# KiCad board Marble.kicad_pcb (continued)
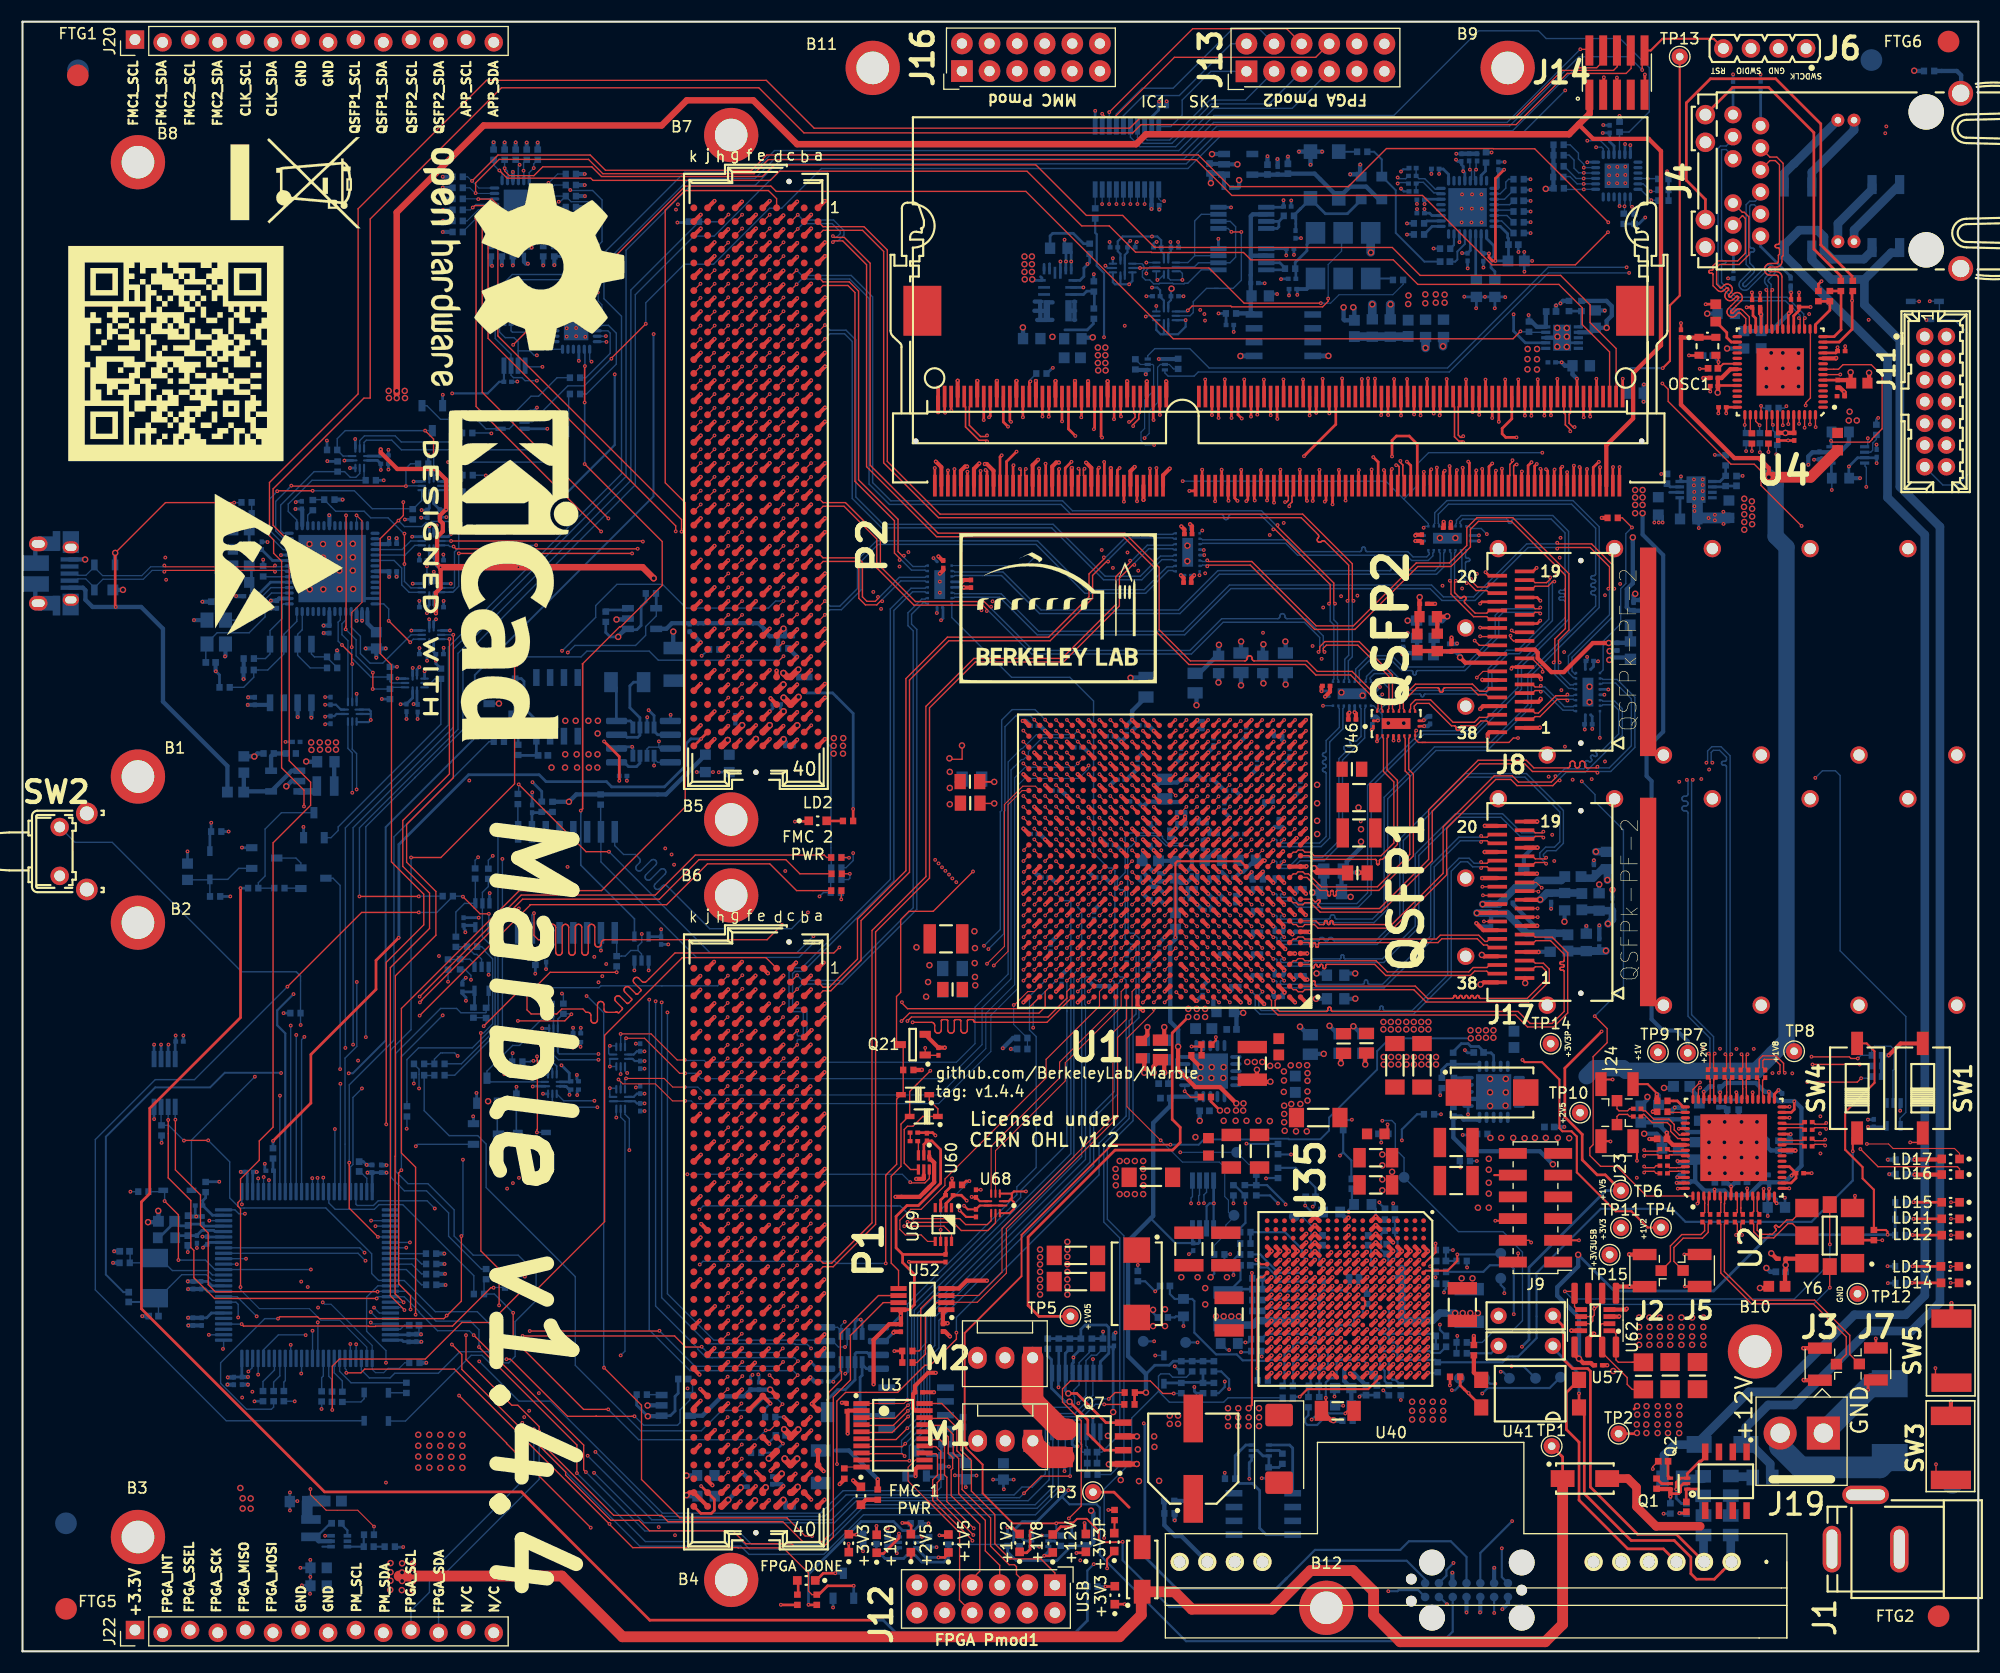
[diagram p0: board, top side]
## Routing (per net, layer and track width the routed paths; a pad name or vN(x,y) marks a point on that pad's centre or on a via; arc(x,y) is an arc through that point) (continued)
/FPGA/DDR3_DQ62: length 57.3
  Top w0.254: U1.U6 v1(113.12,76.73) ; SK1.192 143.67,113.61 v1(143.68,113.59)
  In4.Cu w0.135: v1(143.68,113.59) 143.68,111.64 143.68,111.61 143.67,111.58 143.66,111.55 143.64,111.53 143.61,111.52 143.58,111.51 143.52,111.5 143.5,111.49 143.47,111.48 143.45,111.45 143.43,111.43 143.42,111.4 143.42,111.37 143.42,111.34 143.42,111.31 143.43,111.28 143.45,111.25 143.47,111.23 143.5,111.22 143.52,111.21 143.58,111.2 143.61,111.19 143.64,111.18 143.66,111.15 143.67,111.13 143.68,111.1 143.68,111.07 143.68,109.03 143.65,108.99 143.65,108.78 142.62,107.75 142.62,105.83 138.6,101.82 138.6,99.56 135.1,96.05 135.1,93.03 130.65,88.59 130.65,85.92 123.26,78.53 122.29,78.53 121.61,77.84 120.49,77.84 119.75,77.09 113.48,77.09 v1(113.12,76.73)
/FPGA/DDR3_DQ63: length 62.4
  Top w0.254: U1.U5 v1(114.12,76.73) ; SK1.194 144.27,113.67 v1(144.28,113.66)
  In4.Cu w0.135: v1(114.12,76.73) 114.51,76.34 117.65,76.34 ; 117.65,76.34 118.56,76.34 118.92,75.97 121.33,75.97 122.43,77.07 123.11,77.07 129.35,83.31 129.37,83.31 129.55,83.49 129.55,83.52 131.34,85.31 131.34,88.43 135.79,92.88 135.79,95.88 139.01,99.1 139.01,101.37 143.2,105.57 143.2,107.53 144.33,108.66 144.33,108.99 144.28,109.05 144.28,110.2 144.29,110.26 144.31,110.33 144.35,110.38 144.39,110.43 144.45,110.47 144.52,110.49 144.58,110.5 144.91,110.5 144.97,110.5 145.04,110.53 145.09,110.56 145.14,110.61 145.18,110.67 145.2,110.73 145.21,110.8 145.2,110.86 145.18,110.93 145.14,110.98 145.09,111.03 145.04,111.07 144.97,111.09 144.91,111.1 144.12,111.1 144.08,111.1 144.05,111.11 144.02,111.13 143.99,111.16 143.97,111.19 143.96,111.22 143.96,111.26 143.96,111.53 143.96,111.57 143.97,111.6 143.99,111.63 144.02,111.66 144.05,111.68 144.08,111.69 144.12,111.7 144.91,111.7 144.97,111.7 145.04,111.73 145.09,111.76 145.14,111.81 145.18,111.87 145.2,111.93 145.21,112 145.2,112.06 145.18,112.13 145.14,112.18 145.09,112.23 145.04,112.27 144.97,112.29 144.91,112.3 144.28,112.3 144.28,112.31 144.12,112.31 144.08,112.31 144.05,112.32 144.02,112.34 143.99,112.37 143.97,112.4 143.96,112.44 143.96,112.47 143.96,112.75 143.96,112.78 143.97,112.82 143.99,112.85 144.02,112.87 144.05,112.89 144.08,112.9 144.16,112.91 144.19,112.92 144.22,112.94 144.25,112.97 144.27,113 144.28,113.04 144.28,113.07 v1(144.28,113.66) ; 117.65,76.34 118.31,76.34
/FPGA/DXN_0: length 70.3
  Top w0.102: U1.R11 v1(108.12,74.73)
  Bottom w0.127: R129.1 100.15,16.27 101.37,17.49 101.37,38.24 99.84,39.77 99.84,46.47 102.21,48.83 102.21,57.77 102.75,58.32 102.75,60.91 102.75,60.91 102.75,65.64 102.3,66.1 101.94,66.1 101.75,66.29 101.75,66.64 101.75,66.59 101.75,67.91 101.71,67.95 101.71,73.87 101.94,74.1 102.03,74.1 102.49,74.55 102.49,74.91 102.67,75.09 104.32,75.09 105.24,74.16 107.55,74.16 v1(108.12,74.73)
/FPGA/DXP_0: length 71.4
  Top w0.102: U1.R12 v1(107.12,74.73)
  Bottom w0.127: 104.92,74.99 104.59,75.32 104.06,75.32 104.05,75.33 101.88,75.33 101.49,74.93 101.49,71.68 100.76,70.96 100.76,70.34 101.01,70.1 101.3,70.1 101.49,69.91 101.49,65.58 101.98,65.09 102.27,65.09 102.48,64.88 102.48,64.04 102.49,64.03 102.49,58.66 101.85,58.03 101.85,49.04 99.51,46.7 99.51,39.51 100.99,38.04 100.99,19.98 99.33,18.33 C188.1 ; 104.92,74.99 104.92,74.85 105.38,74.39 106.78,74.39 v1(107.12,74.73) ; 104.92,74.99 104.67,75.23 ; C188.1 99.15,18.58 99.15,20.2 ; C188.1 C189.1
/FPGA/EXP_INT: length 243.7
  Top w0.127: v1(81.45,39.53) 81.51,39.47 82.1,39.47 82.11,39.48 85.65,39.48 86.4,38.73 88.85,38.73 89.55,39.43 U68.9
  In7.Cu w0.127: v1(51.97,125.36) 52.96,124.37 52.96,118.05 61.64,109.36 61.64,59.64 63.26,58.02 63.26,44.04 61.64,42.42 61.64,38.92 61.96,38.6 76.98,38.6 ; 77.11,38.6 76.98,38.6 ; 76.98,38.6 78.12,38.6 79.05,39.53 v1(81.45,39.53)
  Bottom w0.127: U34.22 146.98,139.84 R199.2 147.86,139.85 149.72,141.71 149.72,145.77 147.04,148.45 140.23,148.45 139.52,149.16 134.01,149.16 126.21,141.37 109.65,141.37 106.42,138.14 69.21,138.14 67.23,136.16 60.96,136.16 52.65,127.85 52.65,125.97 52.11,125.43 51.93,125.43 ; U39.22 51.2,124.57 51.93,125.3 51.93,125.43 ; v1(51.97,125.36) 51.93,125.4 51.93,125.43
/FPGA/FPGA_12_13/FPGA_MISO_T: length 69.6
  Top w0.102: v1(60.95,51.93) 59.85,51.93 59.05,52.73 v1(55.55,52.73) ; U1.AC21 v1(97.12,81.73)
  Bottom w0.102: v1(97.12,81.73) 96.77,81.38 92.28,81.38 91.31,80.41 91.31,61.36 88.66,58.7 88.66,55.48 84.39,51.21 62.87,51.21 62.15,51.93 v1(60.95,51.93)
  Bottom w0.127: v1(55.55,52.73) 55.45,52.63 U51.5
/FPGA/FPGA_12_13/FPGA_MOSI_T: length 71.8
  Top w0.102: v1(98.12,81.54) 97.81,81.23 U1.AB21 ; v1(60.98,50.66) 59.82,50.66 58.25,52.23 55.25,52.23 v1(54.85,52.63)
  Bottom w0.102: v1(60.98,50.66) 61.55,50.66 61.8,50.41 84.33,50.41 89.13,55.21 89.13,58.54 91.61,61.03 91.61,79.72 92.24,80.34 97.22,80.34 98.12,81.24 v1(98.12,81.54)
  Bottom w0.127: v1(54.85,52.63) 55.05,52.43 U51.4
/FPGA/FPGA_12_13/FPGA_SCK_T: length 71.1
  Top w0.11: v1(55.05,56.83) 57.85,56.83 60.25,54.43 v1(60.95,54.43) ; v1(97.12,84.73) 97.12,84.73 U1.AE21
  Bottom w0.11: 61.5,54.38 61,54.38 v1(60.95,54.43) ; 61.5,54.38 62.76,54.38 62.92,54.22 85.95,54.22 87.67,55.93 87.67,59.29 90.71,62.33 90.71,81.86 91.94,83.09 92.03,83.09 93.31,84.37 96.76,84.37 v1(97.12,84.73) ; 61.5,54.38 61.47,54.38
  Bottom w0.127: v1(55.05,56.83) U65.4
/FPGA/FPGA_12_13/FPGA_SSEL_T: length 71.3
  Top w0.11: v1(97.12,83.73) 97.12,83.73 U1.AD21 ; v1(55.55,56.43) 57.25,56.43 60.48,53.2 v1(60.98,53.2)
  Bottom w0.11: 91.28,81.42 91.23,81.38 ; 91.28,81.42 91.94,82.08 92.12,82.08 92.58,82.54 92.58,82.82 93.85,84.09 95.29,84.09 95.3,84.08 96.77,84.08 v1(97.12,83.73) ; 91.28,81.42 90.98,81.12 90.98,61.9 88.31,59.23 88.31,55.85 85.18,52.71 62.46,52.71 61.96,53.2 v1(60.98,53.2)
  Bottom w0.127: U65.5 55.45,56.33 v1(55.55,56.43)
/FPGA/FPGA_14_15/CFG_D02: length 78.4
  Top w0.127: v1(75.18,64.79) 74.67,64.28 60.04,64.28 57.43,61.66 57.38,61.62 57.31,61.59 57.25,61.58 57.18,61.58 57.12,61.59 57.06,61.62 57,61.66 56.72,61.95 56.67,61.99 56.61,62.02 56.54,62.03 56.48,62.03 56.41,62.02 56.35,61.99 56.3,61.95 56.25,61.89 56.23,61.83 56.21,61.77 56.21,61.7 56.23,61.63 56.25,61.57 56.3,61.52 56.88,60.94 56.9,60.92 56.91,60.89 56.92,60.86 56.92,60.84 56.91,60.81 56.9,60.78 56.88,60.76 56.63,60.51 56.61,60.5 56.59,60.48 56.56,60.48 56.53,60.48 56.5,60.48 56.48,60.5 56.46,60.51 55.87,61.1 55.82,61.14 55.76,61.17 55.69,61.18 55.63,61.18 55.56,61.17 55.5,61.14 55.45,61.1 55.41,61.04 55.38,60.98 55.36,60.92 55.36,60.85 55.38,60.79 55.41,60.73 55.45,60.67 56.03,60.09 56.05,60.07 56.06,60.04 56.07,60.02 56.07,59.99 56.06,59.96 56.05,59.93 56.03,59.91 55.78,59.67 55.76,59.65 55.74,59.64 55.71,59.63 55.68,59.63 55.65,59.64 55.63,59.65 55.61,59.67 55.02,60.25 54.97,60.29 54.91,60.32 54.85,60.33 54.78,60.33 54.71,60.32 54.65,60.29 54.6,60.25 54.56,60.2 54.53,60.14 54.51,60.07 54.51,60 54.53,59.94 54.56,59.88 54.6,59.82 55.18,59.24 55.2,59.22 55.21,59.19 55.22,59.17 55.22,59.14 55.21,59.11 55.2,59.09 55.18,59.06 54.94,58.82 54.91,58.8 54.89,58.79 54.86,58.78 54.83,58.78 54.81,58.79 54.78,58.8 54.74,58.83 54.71,58.85 54.68,58.85 54.66,58.85 54.63,58.85 54.6,58.83 54.58,58.82 53.82,58.82 53.75,58.82 53.69,58.85 53.63,58.88 53.58,58.93 53.55,58.99 53.52,59.05 53.52,59.12 53.52,59.52 53.51,59.58 53.49,59.65 53.45,59.7 53.4,59.75 53.35,59.79 53.28,59.81 53.22,59.82 53.15,59.81 53.09,59.79 53.03,59.75 52.98,59.7 52.95,59.65 52.92,59.58 52.92,59.52 52.92,58.12 52.91,58.05 52.89,57.99 52.85,57.93 52.8,57.88 52.75,57.85 52.68,57.82 52.62,57.82 52.55,57.82 52.49,57.85 52.43,57.88 52.38,57.93 52.35,57.99 52.32,58.05 52.32,58.12 52.32,58.52 52.31,58.58 52.29,58.65 52.25,58.7 52.2,58.75 52.15,58.79 52.08,58.81 52.02,58.82 51.86,58.82 51.58,59.12 49.63,59.12 49.17,58.66 46.81,58.66 46.43,59.05 46.43,60.37 48.56,62.5 v1(54.68,62.5) ; U1.B22 96.12,60.73 96.12,60.12 94.39,58.39 81.82,58.39 v1(81.44,58.01)
  In9.Cu w0.127: v1(81.44,58.01) 81.44,58.53 v1(75.18,64.79)
  Bottom w0.127: R209.1 v1(54.68,62.5)
/FPGA/FPGA_14_15/CFG_D03: length 80
  Top w0.127: v1(45.67,79.8) 51.86,73.6 v1(53.97,73.6) ; U1.A22 94.29,57.9 87.68,57.9 87.65,57.9 87.63,57.91 87.6,57.92 87.59,57.94 87.57,57.97 87.56,57.99 87.55,58.05 87.55,58.07 87.53,58.1 87.51,58.12 87.49,58.13 87.46,58.14 87.43,58.14 87.08,58.14 87.05,58.14 87.03,58.13 87,58.12 86.99,58.1 86.97,58.07 86.96,58.05 86.96,58.02 86.96,57.2 86.95,57.13 86.93,57.07 86.89,57.01 86.84,56.96 86.79,56.93 86.72,56.9 86.66,56.9 86.59,56.9 86.53,56.93 86.47,56.96 86.42,57.01 86.39,57.07 86.37,57.13 86.36,57.2 86.36,58.02 86.35,58.05 86.35,58.07 86.33,58.1 86.31,58.12 86.29,58.13 86.26,58.14 86.23,58.14 85.88,58.14 85.85,58.14 85.83,58.13 85.8,58.12 85.79,58.1 85.77,58.07 85.76,58.05 85.76,58.02 85.76,57.2 85.75,57.13 85.73,57.07 85.69,57.01 85.64,56.96 85.59,56.93 85.52,56.9 85.46,56.9 85.39,56.9 85.33,56.93 85.27,56.96 85.22,57.01 85.19,57.07 85.17,57.13 85.16,57.2 85.16,58.02 85.15,58.05 85.15,58.07 85.13,58.1 85.11,58.12 85.09,58.13 85.06,58.14 85.03,58.14 84.68,58.14 84.65,58.14 84.63,58.13 84.6,58.12 84.59,58.1 84.57,58.07 84.56,58.05 84.56,58.02 84.56,57.2 84.55,57.13 84.53,57.07 84.49,57.01 84.44,56.96 84.39,56.93 84.32,56.9 84.26,56.9 84.19,56.9 84.13,56.93 84.07,56.96 84.02,57.01 83.99,57.07 83.97,57.13 83.96,57.2 83.96,57.6 83.95,57.66 83.93,57.73 83.89,57.78 83.84,57.83 83.79,57.87 83.72,57.89 83.66,57.9 v1(81.92,57.9)
  In9.Cu w0.127: v1(72.79,65.83) 73.48,65.17 73.48,64.58 72.74,63.85 70.48,63.85 68.98,62.35 68.98,60.57 69.26,60.29 75.74,60.29 78.36,57.67 80.21,57.67 80.28,57.6 81.63,57.6 v1(81.92,57.9)
  Bottom w0.127: v1(45.67,79.8) 45.67,79 R210.1 ; v1(72.79,65.83) 71.24,64.28 63.29,64.28 v1(53.97,73.6)
/FPGA/FPGA_14_15/CFG_DIN: length 80
  Top w0.127: U1.A25 92.54,59.15 81.45,59.15 80.94,59.67 v1(80.94,59.75)
  In9.Cu w0.127: v1(72.29,68.01) 74.5,68.01 74.67,67.83 74.72,67.78 74.74,67.72 74.76,67.66 74.76,67.59 74.74,67.52 74.72,67.46 74.67,67.41 74.38,67.11 74.33,67.06 74.31,67 74.29,66.93 74.29,66.87 74.31,66.8 74.33,66.74 74.38,66.69 74.43,66.65 74.49,66.62 74.56,66.6 74.62,66.6 74.69,66.62 74.75,66.65 74.8,66.69 75.82,67.71 75.87,67.75 75.93,67.78 76,67.79 76.06,67.79 76.13,67.78 76.19,67.75 76.24,67.71 76.28,67.65 76.31,67.59 76.33,67.53 76.33,67.46 76.31,67.4 76.28,67.33 76.24,67.28 75.23,66.26 75.18,66.21 75.15,66.15 75.14,66.09 75.14,66.02 75.15,65.95 75.18,65.89 75.23,65.84 75.28,65.8 75.34,65.77 75.4,65.75 75.47,65.75 75.54,65.77 75.6,65.8 75.65,65.84 76.67,66.86 76.72,66.9 76.78,66.93 76.85,66.94 76.91,66.94 76.98,66.93 77.04,66.9 77.09,66.86 77.13,66.81 77.16,66.74 77.18,66.68 77.18,66.61 77.16,66.55 77.13,66.49 77.09,66.43 76.07,65.42 76.03,65.36 76,65.3 75.99,65.24 75.99,65.17 76,65.1 76.03,65.04 76.07,64.99 76.13,64.95 76.19,64.92 76.25,64.91 76.32,64.91 76.38,64.92 76.45,64.95 76.5,64.99 77.52,66.01 77.57,66.05 77.63,66.08 77.69,66.1 77.76,66.1 77.83,66.08 77.89,66.05 77.94,66.01 77.98,65.96 78.01,65.9 78.03,65.83 78.03,65.76 78.01,65.7 77.98,65.64 77.94,65.58 76.92,64.57 76.88,64.51 76.85,64.45 76.84,64.39 76.84,64.32 76.85,64.26 76.88,64.2 76.92,64.14 76.97,64.1 77.04,64.07 77.1,64.06 77.17,64.06 77.23,64.07 77.29,64.1 77.35,64.14 78.36,65.16 78.42,65.2 78.48,65.23 78.54,65.25 78.61,65.25 78.68,65.23 78.74,65.2 78.79,65.16 78.83,65.11 78.86,65.05 78.87,64.98 78.87,64.92 78.86,64.85 78.83,64.79 78.79,64.74 77.77,63.72 77.73,63.67 77.7,63.61 77.68,63.54 77.68,63.47 77.7,63.41 77.73,63.35 77.77,63.29 77.82,63.25 77.88,63.22 77.95,63.21 78.02,63.21 78.08,63.22 78.14,63.25 78.19,63.29 79.21,64.31 79.27,64.35 79.33,64.38 79.39,64.4 79.46,64.4 79.52,64.38 79.58,64.35 79.64,64.31 79.68,64.26 79.71,64.2 79.72,64.13 79.72,64.07 79.71,64 79.68,63.94 79.64,63.89 78.62,62.87 78.58,62.82 78.55,62.76 78.53,62.69 78.53,62.62 78.55,62.56 78.58,62.5 78.62,62.45 78.67,62.4 78.73,62.37 78.8,62.36 78.86,62.36 78.93,62.37 78.99,62.4 79.04,62.45 80.06,63.46 80.11,63.51 80.17,63.53 80.24,63.55 80.31,63.55 80.37,63.53 80.43,63.51 80.49,63.46 80.53,63.41 80.56,63.35 80.57,63.29 80.57,63.22 80.56,63.15 80.53,63.09 80.49,63.04 79.47,62.02 79.43,61.97 79.4,61.91 79.38,61.84 79.38,61.78 79.4,61.71 79.43,61.65 79.47,61.6 79.52,61.56 79.58,61.53 79.65,61.51 79.71,61.51 79.78,61.53 79.84,61.56 79.89,61.6 80.19,61.89 80.24,61.94 80.3,61.97 80.37,61.98 80.43,61.98 80.5,61.97 80.56,61.94 80.61,61.89 80.94,61.57 v1(80.94,59.75)
  Bottom w0.127: U30.8 54.51,74.16 55.32,73.35 56.41,73.35 56.77,72.99 56.81,72.94 56.84,72.88 56.85,72.81 56.85,72.74 56.84,72.68 56.81,72.62 56.77,72.57 56.53,72.33 56.49,72.28 56.46,72.22 56.45,72.16 56.45,72.09 56.46,72.02 56.49,71.96 56.53,71.91 56.59,71.87 56.65,71.84 56.71,71.82 56.78,71.82 56.85,71.84 56.91,71.87 56.96,71.91 57.85,72.8 57.9,72.84 57.96,72.87 58.02,72.88 58.09,72.88 58.16,72.87 58.22,72.84 58.27,72.8 58.31,72.74 58.34,72.68 58.36,72.62 58.36,72.55 58.34,72.49 58.31,72.43 58.27,72.37 57.38,71.49 57.34,71.43 57.31,71.37 57.3,71.31 57.3,71.24 57.31,71.17 57.34,71.11 57.38,71.06 57.44,71.02 57.5,70.99 57.56,70.98 57.63,70.98 57.69,70.99 57.76,71.02 57.81,71.06 58.69,71.95 58.75,71.99 58.81,72.02 58.87,72.03 58.94,72.03 59.01,72.02 59.07,71.99 59.12,71.95 59.16,71.9 59.19,71.84 59.2,71.77 59.2,71.7 59.19,71.64 59.16,71.58 59.12,71.52 58.23,70.64 58.19,70.58 58.16,70.52 58.15,70.46 58.15,70.39 58.16,70.33 58.19,70.27 58.23,70.21 58.28,70.17 58.35,70.14 58.41,70.13 58.48,70.13 58.54,70.14 58.6,70.17 58.66,70.21 58.89,70.44 58.94,70.49 59,70.52 59.07,70.53 59.13,70.53 59.2,70.52 59.26,70.49 59.31,70.44 63.24,66.51 70.79,66.51 v1(72.29,68.01)
/FPGA/FPGA_14_15/CFG_FCS: length 82.4
  Top w0.102: U1.C23 v1(95.12,61.73)
  In9.Cu w0.127: v1(93.02,57.4) 92.84,57.22 77.51,57.22 75.89,58.84 63.27,58.84 62.02,60.09 62.02,63.47 63.42,64.86 68.45,64.86 68.93,64.38 71.98,64.38 v1(72.79,65.19)
  Bottom w0.127: v1(72.79,65.19) 71.47,63.87 62.02,63.87 53.24,72.66 U30.7 53.21,75.46 R223.2 ; v1(93.02,57.4) 93.02,59.63 v1(95.12,61.73)
/FPGA/FPGA_14_15/CFG_MOSI: length 80
  Top w0.102: U1.B24 94.12,60.73
  Top w0.127: 94.12,60.73 94.12,59.31 93.55,58.74 81.63,58.74 v1(80.9,58.01) ; v1(47.07,67.94) 47.07,65.89 47.47,65.5 47.57,65.5 47.64,65.49 47.7,65.47 47.76,65.43 47.81,65.38 47.84,65.33 47.86,65.26 47.87,65.2 47.87,64.37 47.88,64.31 47.9,64.24 47.94,64.19 47.98,64.14 48.04,64.1 48.1,64.08 48.17,64.07 48.24,64.08 48.3,64.1 48.36,64.14 48.41,64.19 48.44,64.24 48.46,64.31 48.47,64.37 48.47,66.62 48.48,66.69 48.5,66.75 48.54,66.81 48.58,66.85 48.64,66.89 48.7,66.91 48.77,66.92 48.84,66.91 48.9,66.89 48.96,66.85 49.01,66.81 49.04,66.75 49.06,66.69 49.07,66.62 49.07,64.37 49.08,64.31 49.1,64.24 49.14,64.19 49.18,64.14 49.24,64.1 49.3,64.08 49.37,64.07 49.44,64.08 49.5,64.1 49.56,64.14 49.61,64.19 49.64,64.24 49.66,64.31 49.67,64.37 49.67,66.62 49.68,66.69 49.7,66.75 49.74,66.81 49.78,66.85 49.84,66.89 49.9,66.91 49.97,66.92 50.04,66.91 50.1,66.89 50.16,66.85 50.21,66.81 50.24,66.75 50.26,66.69 50.27,66.62 50.27,64.37 50.28,64.31 50.3,64.24 50.34,64.19 50.38,64.14 50.44,64.1 50.5,64.08 50.57,64.07 50.64,64.08 50.7,64.1 50.76,64.14 50.81,64.19 50.84,64.24 50.86,64.31 50.87,64.37 50.87,66.62 50.88,66.69 50.9,66.75 50.94,66.81 50.98,66.85 51.04,66.89 51.1,66.91 51.17,66.92 51.24,66.91 51.3,66.89 51.36,66.85 51.41,66.81 51.44,66.75 51.46,66.69 51.47,66.62 51.47,64.37 51.48,64.31 51.5,64.24 51.54,64.19 51.58,64.14 51.64,64.1 51.7,64.08 51.77,64.07 51.84,64.08 51.9,64.1 51.96,64.14 52.01,64.19 52.04,64.24 52.06,64.31 52.07,64.37 52.07,66.62 52.08,66.69 52.1,66.75 52.14,66.81 52.18,66.85 52.24,66.89 52.3,66.91 52.37,66.92 52.44,66.91 52.5,66.89 52.56,66.85 52.61,66.81 52.64,66.75 52.66,66.69 52.67,66.62 52.67,65.12 52.68,65.06 52.7,64.99 52.74,64.94 52.78,64.89 52.84,64.85 52.9,64.83 52.97,64.82 53.04,64.83 53.1,64.85 53.16,64.89 53.21,64.94 53.24,64.99 53.26,65.06 53.27,65.12 53.27,65.2 53.28,65.26 53.3,65.33 53.34,65.38 53.38,65.43 53.44,65.47 53.5,65.49 53.57,65.5 68.53,65.5 v1(69.9,66.87)
  In9.Cu w0.127: v1(80.9,58.01) 79.9,59.01 79.72,59.01 74.56,64.17 74.56,64.91 72.61,66.87 v1(69.9,66.87)
  Bottom w0.127: v1(47.07,67.94) 46.89,67.76 U30.15
/FPGA/FPGA_14_15/CFG_PUDC: length 7.7
  Top w0.102: U1.B25 93.12,60.73 92.52,60.73 91.29,59.49 v1(91.23,59.49)
  Bottom w0.102: v1(91.23,59.49) 91.22,59.48 91.22,57.7 92.47,56.46 R221.2 R222.1
/FPGA/FPGA_14_15/CFG_WP: length 198.6
  Top w0.127: v1(173.73,46.84) 174.89,46.84 174.89,47.69
  In2.Cu w0.127: v1(56.99,66.03) 56.82,65.86 56.82,56.13 57.91,55.04 57.91,24.18 58.54,23.54 58.54,11.44 v1(58.55,11.43)
  In4.Cu w0.127: v1(173.73,46.84) 173.73,45.33 171.96,43.56 171.66,43.56 171.45,43.77 171.45,44.06 159.13,31.74 148.76,31.74 128.13,11.11 93.27,11.11 93.06,10.9 89.37,10.9 88.59,11.67 86.79,11.67 86.29,11.18 81.52,11.18 80.82,10.48 78.18,10.48 77.23,11.43 70.06,11.43 68.41,9.78 62.8,9.78 61.15,11.43 v1(58.55,11.43)
  Bottom w0.127: U11.2 56.97,64.19 56.65,64.51 ; U30.9 54.68,65.95 R209.2 55.12,63.99 55.13,64 55.47,64 55.98,64.51 56.65,64.51 ; 56.65,64.51 56.65,64.92 56.99,65.27 v1(56.99,66.03)
/FPGA/FPGA_14_15/EXP_INT_T: length 24.1
  Top w0.102: U68.4 89.55,46.08 95.97,52.5 95.97,54.17 101.11,59.31 101.11,60.72 U1.B17
/FPGA/FPGA_14_15/FPGA_INT_T: length 22.9
  Top w0.102: U68.5 89.15,46.48 95.45,52.78 95.45,54.23 100.62,59.4 U1.A18
  Top w0.11: 100.64,60.21 100.62,60.21
/FPGA/FPGA_14_15/I2C_FPGA_SW_RST: length 206.9
  Top w0.127: U69.8 85.5,38.43 84.8,39.13 v1(81.15,39.13)
  In2.Cu w0.127: v1(47.52,23.76) 47.52,45.08 44.76,47.83 44.76,54.87 44.72,54.92 44.72,55.25 44.76,55.29 44.76,76.51 v1(41.12,80.15)
  In4.Cu w0.127: v1(61.21,24.2) 60.75,23.74 47.55,23.74 v1(47.52,23.76) 42.02,23.76 41.45,24.33 24.05,24.33 19.25,29.13 v1(17.15,29.13)
  In7.Cu w0.127: v1(43.61,130.24) 44.43,131.07 48.96,131.07 49.25,130.78 49.25,129.78 48.63,129.16 48.63,127.77 43.38,122.52 43.18,122.52 41.68,121.02 41.68,105.58 41.12,105.02 v1(41.12,80.15) ; v1(81.15,39.13) 81.13,39.13 76.94,34.94 62.2,34.94 61.21,33.95 v1(61.21,24.2)
  Bottom w0.102: U5.24 44.14,130.77 v1(43.61,130.24) 43.1,129.73 R41.2
  Bottom w0.127: v1(17.15,29.13) 18.5,29.13 U54.2
/FPGA/FPGA_14_15/I2C_FPGA_SW_RST_T: length 34.5
  Top w0.11: U69.5 83.3,37.73 82.7,38.33 81.25,38.33 80.75,38.83 80.75,39.68 81.75,40.68 82.7,40.68 84.9,42.88 84.9,43.48 94.21,52.79 94.21,54.49 99.12,59.4 99.12,60.73 U1.B19
/FPGA/FPGA_14_15/I2C_SCL: length 45.6
  Top w0.11: U1.B16 102.12,60.73 102.12,57.83 100.78,56.49 100.78,49.14 90.55,38.91 90.55,34.8 87.88,32.13 85.06,32.13 U52.2
  Top w0.127: U52.2 84.15,32.09 83.1,31.04 83.1,27.34 82.33,26.58 R1.2
/FPGA/FPGA_14_15/I2C_SDA: length 43.5
  Top w0.102: U1.A17 101.62,58.2 100.35,56.94 100.35,49.14 90.15,38.94 90.15,34.9 88.01,32.76 86.74,32.76 86.73,32.74 U52.3
  Top w0.127: R2.2 82.51,27.64 82.67,27.81 82.67,31.55 83.87,32.74 U52.3
/FPGA/FPGA_32_16/FPGA_CLKIN0: length 61.3
  Top w0.102: U1.G11 v1(108.12,65.73)
  In2.Cu w0.102: v1(125.15,48.83) 124.75,48.83 117.85,55.73 112.35,55.73 109.75,58.33 109.75,59.93 109.35,60.33 109.05,60.33 108.77,60.61 108.77,62.57 108.21,63.13 108.15,63.13 107.77,63.51 107.77,65.38 v1(108.12,65.73)
  Bottom w0.127: v1(125.15,48.83) 125.18,48.86 126.02,48.86 126.35,48.53 126.35,46.23 127.15,45.43 TP20.1 132.15,38.63 136.25,38.63 137.15,37.73 137.15,37.64 138.05,36.74 138.05,30.43 137.05,29.43 135.35,29.43 134.35,28.43 R164.1
/FPGA/FPGA_32_16/FPGA_CLKIN3: length 40.1
  Top w0.102: U1.J14 v1(104.12,67.73) ; v1(104.12,59.13) 104.12,58.9 101.65,56.43 101.65,50.13 v1(104.75,47.03)
  In7.Cu w0.102: v1(104.12,67.73) 103.65,67.26 103.65,59.53 104.05,59.13 v1(104.12,59.13)
  Bottom w0.102: R185.1 109.68,37.36 110.75,38.43 110.75,39.23 111.45,39.93 110.99,40.39 110.99,41.52 110.65,41.85 110.65,44.53 110.15,45.03 106.75,45.03 v1(104.75,47.03)
/FPGA/FPGA_32_16/FPGA_CLKIN12: length 26.9
  Top w0.102: U1.D11 v1(108.12,62.73)
  In2.Cu w0.102: v1(108.12,62.73) 108.55,62.3 108.55,60.54 108.97,60.13 109.22,60.13 109.45,59.9 109.45,55.53 107.65,53.73 107.65,51.03 106.55,49.93 v1(106.55,45.93)
  Bottom w0.102: v1(106.55,45.93) TP22.1 112.88,44.8 R190.1
/FPGA/FPGA_33_34/CLK20_VCXO_T: length 54.6
  Top w0.102: v1(108.09,78.69) 107.62,78.23 U1.W11
  In9.Cu w0.102: v1(108.09,78.69) 107.48,79.31 107.48,79.86 107,80.33 106.85,80.33 106.47,80.71 106.47,95.39 105.6,96.27 105.6,108.17 103.63,110.14 103.63,116.57 103.8,116.74 103.8,119.8 102.23,121.38
  In9.Cu w0.112: 102.23,121.38 101.31,121.38 100.85,121.83 100.85,126.36 v1(99.66,127.54)
  Bottom w0.2: v1(99.66,127.54) 99.88,127.33 U67.4
/FPGA/FPGA_33_34/DDR_REF_CLK_C_N: length 67.2
  Top w0.127: U1.AD9 109.62,83.23
  Top w0.13: 109.62,83.23 v1(110.12,83.73)
  In7.Cu w0.1: v1(108.77,123.09) 108.77,123.27 120.75,135.24 126.44,135.24 v1(126.57,135.11)
  In9.Cu w0.1: v1(110.12,83.73) 110.12,83.44 110.05,83.37 109.99,83.37 109.74,83.62 109.74,87.93 109.13,88.54 109.13,93.83 109.82,94.52 109.82,103.43 109.11,104.14 109.11,108.11 109.57,108.57 109.57,109.85 107.89,111.53 107.89,122.38 108.6,123.09 v1(108.77,123.09)
  Bottom w0.13: 127.56,135.04 127.48,135.04 127.33,135.19 126.65,135.19 v1(126.57,135.11)
/FPGA/FPGA_33_34/DDR_REF_CLK_C_P: length 68.2
  Top w0.127: U1.AC9 109.63,82.23
  Top w0.13: 109.63,82.23 v1(110.12,82.72)
  In7.Cu w0.1: v1(108.39,123.47) 108.57,123.47 120.63,135.53 126.44,135.53 v1(126.57,135.66)
  In9.Cu w0.1: v1(110.12,82.72) 110.12,83.01 110.05,83.08 109.87,83.08 109.45,83.5 109.45,87.81 108.84,88.42 108.84,93.95 109.53,94.64 109.53,103.31 108.82,104.02 108.82,108.23 109.28,108.69 109.28,109.73 107.6,111.41 107.6,122.5 108.39,123.3 v1(108.39,123.47)
  Bottom w0.13: 127.56,135.73 127.48,135.73 127.3,135.55 126.68,135.55 v1(126.57,135.66)
/FPGA/FPGA_33_34/LD16_T: length 45
  Top w0.102: U1.Y13 105.67,79.23 v1(106.13,78.77)
  In4.Cu w0.102: v1(106.13,78.77) 104.52,80.38 104.52,94.99 105.1,95.57 105.1,110.09 v1(104.15,111.04)
  Bottom w0.112: v1(104.15,111.04) 103.34,111.04 102.94,111.44 102.94,112.22 103.27,112.55 103.27,115.19 104.1,116.02 104.1,118.36 104.01,118.45 Q15.5 102.89,118.45 102.42,118.92 R85.1
/FPGA/FPGA_33_34/LD17_T: length 46.9
  Top w0.102: U1.V12 v1(107.12,77.73)
  In4.Cu w0.102: v1(107.12,77.73) 106.46,78.39 106.46,79.02 104.73,80.75 104.73,94.91 105.46,95.63 105.46,107.94 105.97,108.45 105.97,109.79 104.09,111.67 v1(103.27,111.67)
  Bottom w0.112: R84.1 105.94,118.04 105.86,118.12 105.86,118.13 105.54,118.45 Q15.2 104.72,118.45 104.47,118.2 104.47,114.94 103.69,114.16 103.69,112.09 v1(103.27,111.67)
/FPGA/FPGA_33_34/VCXO_EN_T: length 50.2
  Top w0.11: 109.61,77.23 v1(110.11,77.73)
  In9.Cu w0.102: v1(104.35,123.83) 104.35,122.31 106.75,119.9 106.75,111.08 108.05,109.79 108.05,99.89 107.46,99.3 107.46,98.01 108.18,97.3 108.18,88.23 108.78,87.62 108.78,83.13 108.79,83.12 108.79,81.54 109.75,80.58 109.75,78.09 v1(110.11,77.73)
  Bottom w0.127: U42.5 v1(104.35,123.83)
/FPGA/FPGA_33_34/WR_DAC1_SYNC_T: length 49.2
  Top w0.102: U1.W10 v1(109.09,78.7)
  In9.Cu w0.102: 107.72,107.08 107.72,104.1 107.84,103.97 107.84,103.63 107.66,103.45 107.66,100 107.19,99.52 107.19,97.58 107.87,96.89 107.87,87.94 108.5,87.3 108.5,84.82 108.46,84.78 108.46,81.45 108.66,81.24 108.66,80.71 109.45,79.92 109.45,79.06 v1(109.09,78.7) ; 107.72,107.08 107.72,109.48 106.32,110.87 106.32,119.83 103.38,122.77 v1(103.38,122.86) ; 107.72,107.08 107.72,107.19
  Bottom w0.127: v1(103.38,122.86) 103.45,122.93 U42.4
/FPGA/FPGA_33_34/WR_DAC2_SYNC_T: length 53.1
  Top w0.11: 107.64,79.2 v1(108.14,79.7)
  In9.Cu w0.102: 102.64,121.76 104.93,119.47 104.93,116.12 105.23,115.81 105.23,110.14 105.99,109.38 105.99,106.86 ; 105.99,106.86 105.99,106.99 ; 105.99,106.86 105.99,96.54 106.75,95.77 106.75,81.61 107.49,80.87 107.49,80.35 v1(108.14,79.7)
  In9.Cu w0.112: v1(100.35,128.23) 101.28,127.3 101.28,123.12 102.64,121.76
  Bottom w0.2: U67.5 v1(100.35,128.23)
/FPGA/FPGA_33_34/WR_DAC_DIN_T: length 53.5
  Top w0.11: 108.6,79.21 v1(109.1,79.71)
  In9.Cu w0.102: v1(109.1,79.71) 108.46,80.36 108.46,81.02 108.07,81.4 107.96,81.4 107.79,81.57 107.79,86.61 107.6,86.8 107.6,96.58 106.94,97.24 106.94,99.21 106.64,99.51 106.64,102.67 106.99,103.02 106.99,107.42 107.11,107.53 107.11,107.87 106.99,107.98 106.99,109.46 105.94,110.52 105.94,119.54 103.29,122.19
  In9.Cu w0.112: v1(103.43,127.83) 103.95,127.31 103.95,126.33 102.8,125.18 102.8,122.68 103.29,122.19
  Bottom w0.127: U53.5 v1(103.43,127.83)
/FPGA/FPGA_33_34/WR_DAC_SCLK_T: length 54.4
  Top w0.102: U1.V11 107.62,77.24 v1(108.11,77.73)
  In9.Cu w0.102: v1(108.11,77.73) 108.58,78.2 108.58,79.75 107.79,80.53 107.79,81.1 107.49,81.4 107.49,86.27 107.21,86.55 107.21,96.13 106.28,97.06 106.28,109.55 105.6,110.24 105.6,119.29 102.97,121.92
  In9.Cu w0.112: v1(103.43,126.83) 103.43,126.41 102.36,125.34 102.36,122.54 102.97,121.92
  Bottom w0.127: U53.4 103.75,127.43 103.43,127.11 v1(103.43,126.83)
